# Altium PCB JTAG批量下载板-V1.6-ASCII.PcbDoc (part 9 of 14) (continued)
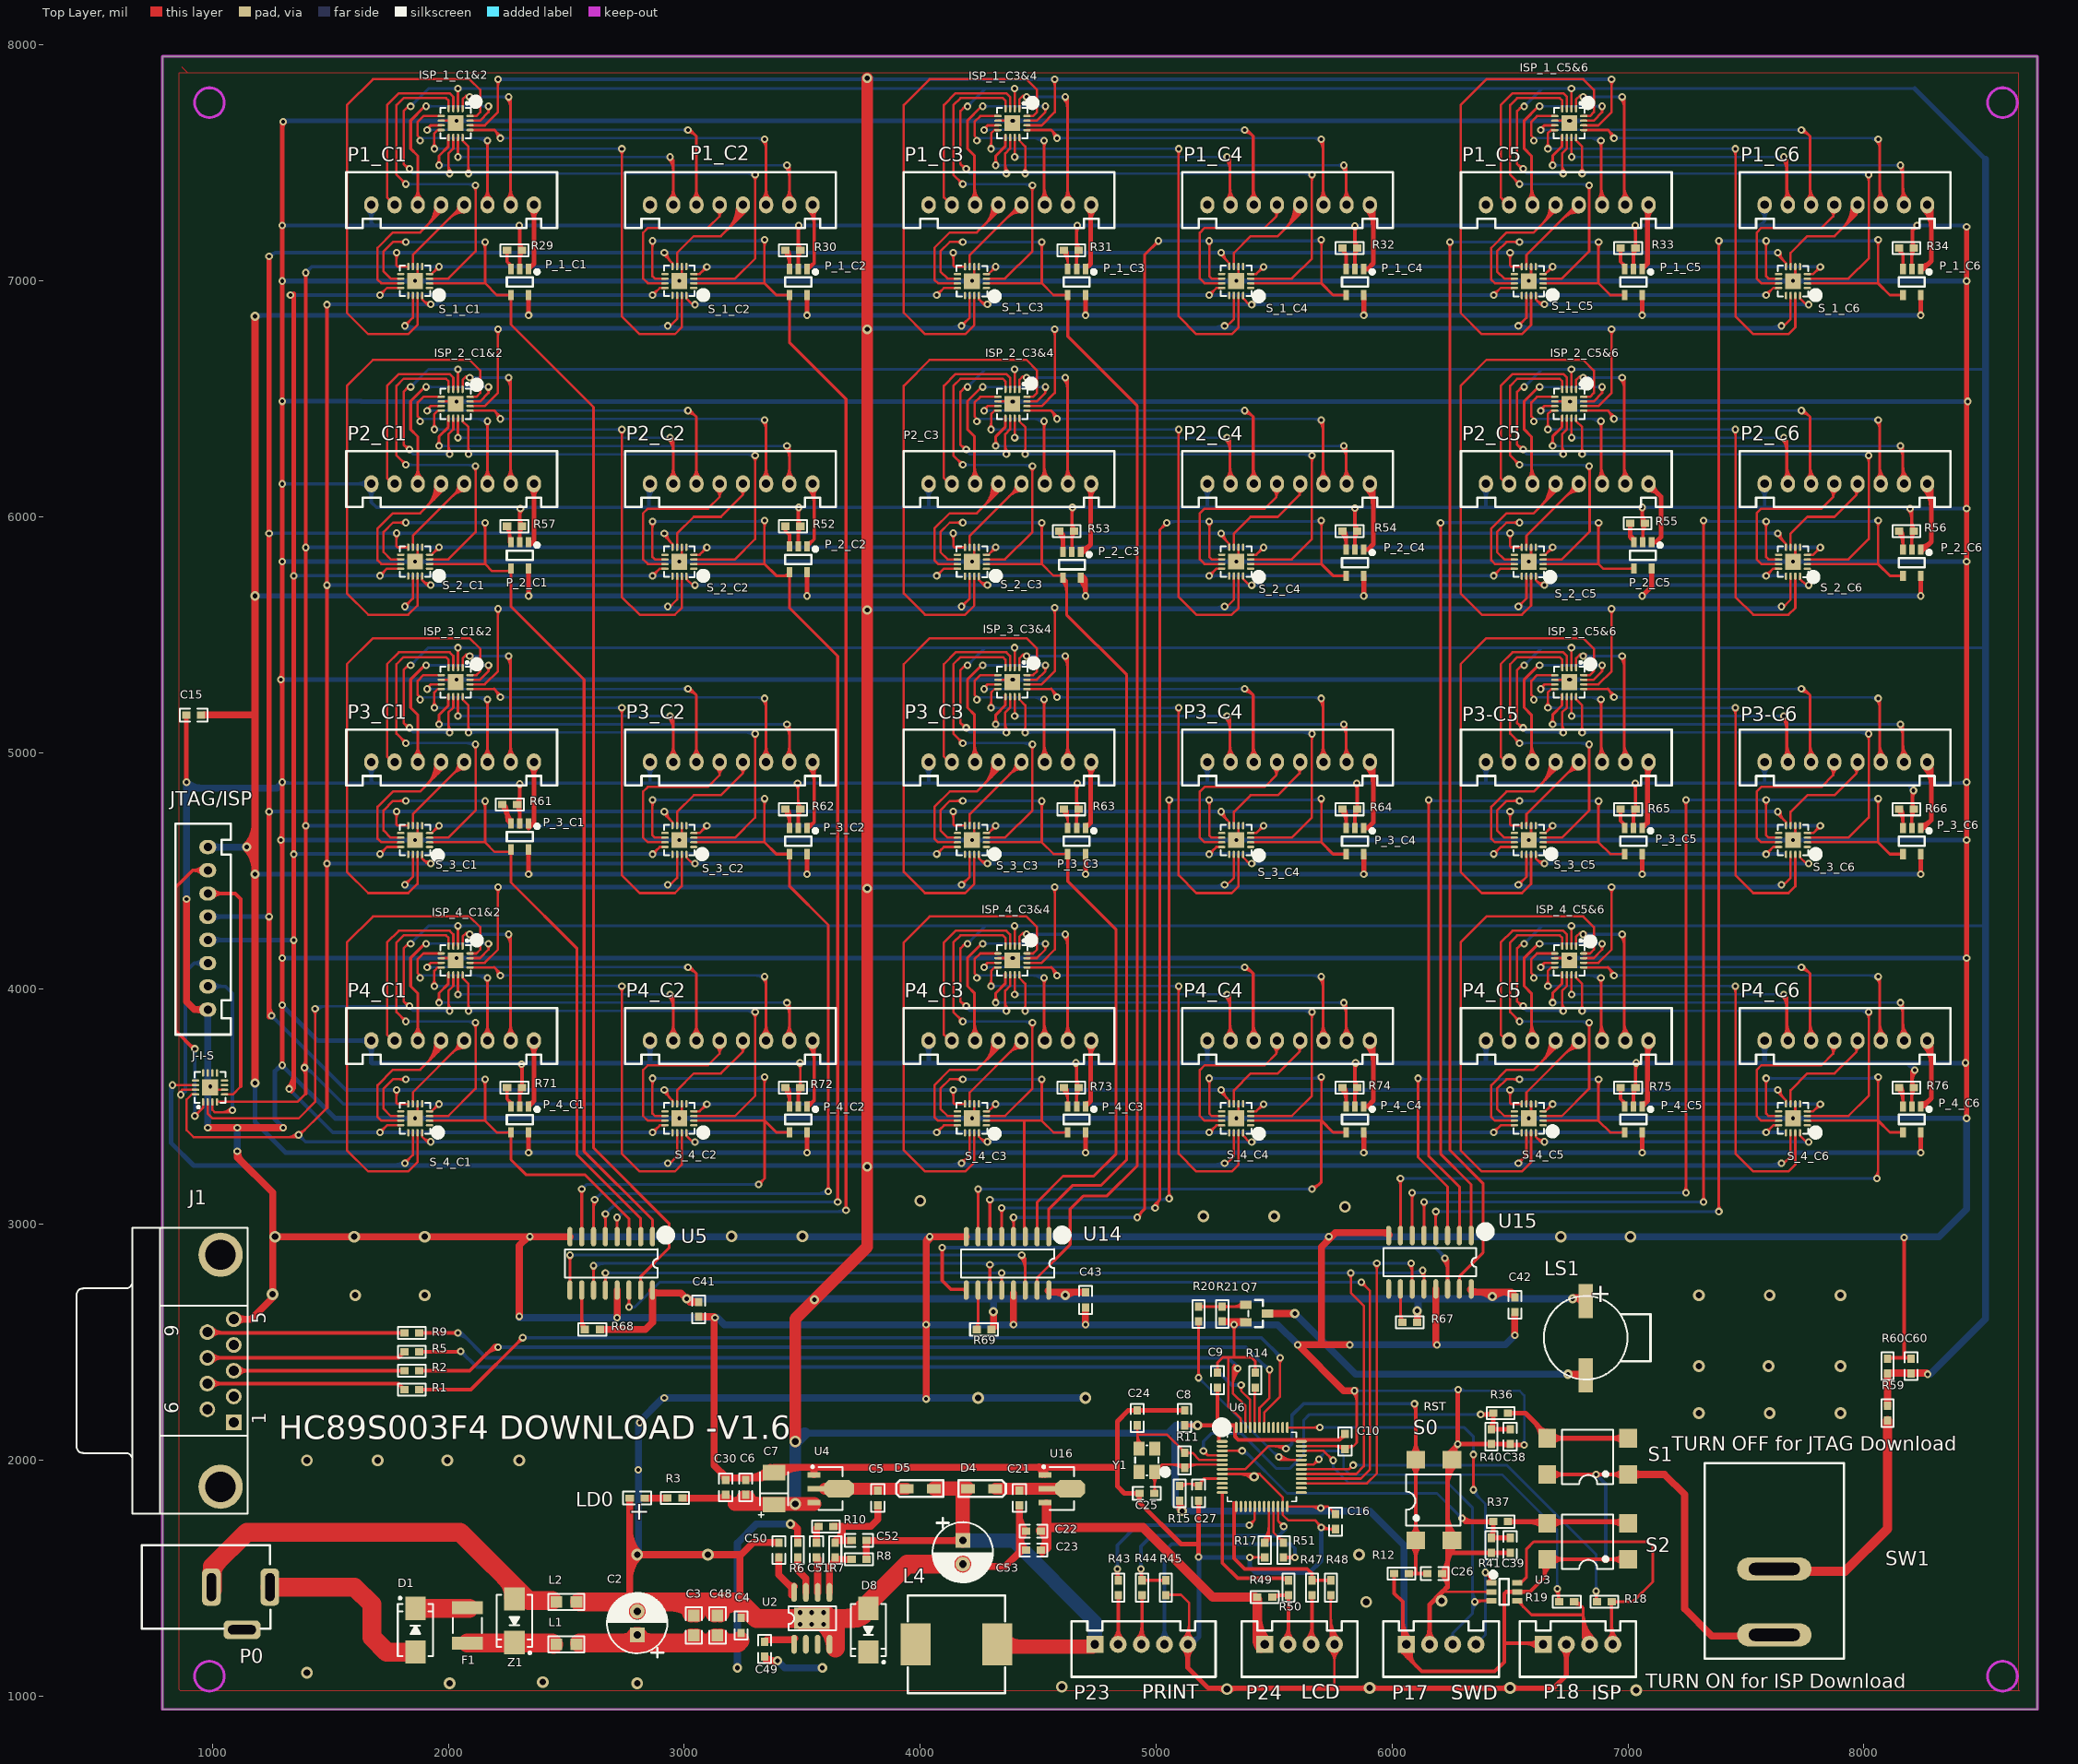
[diagram p0: Top Layer view]
## Nets (pads, with @x,y where several pads share a name; then routed paths per layer and width w, separated by ;. In a path a pad name is that pad's centre, name@x,y a point inside that pad or via, vN(x,y) a via of type N, cw(c..) or ccw(c..) an arc to the next point about the centre after c; other vN are vias at no path point) (continued)
  Top Layer w15: 1485,3495 v1(1485,6900) ; 1485,4509.48 cw(c1505.52,4509.48) 1491.01,4523.99 ccw(c1505.52,4509.48) 1485,4509.48 ; 1485,4509.48 ccw(c1464.48,4509.48) 1478.99,4523.99 cw(c1464.48,4509.48) 1485,4509.48 ; 1485,4550.52 cw(c1464.48,4550.52) 1478.99,4536.01 ccw(c1464.48,4550.52) 1485,4550.52 ; 1485,4550.52 ccw(c1505.52,4550.52) 1491.01,4536.01 cw(c1505.52,4550.52) 1485,4550.52 ; 1485,5689.48 cw(c1505.52,5689.48) 1491.01,5703.99 ccw(c1505.52,5689.48) 1485,5689.48 ; 1485,5689.48 ccw(c1464.48,5689.48) 1478.99,5703.99 cw(c1464.48,5689.48) 1485,5689.48 ; 1485,5730.52 cw(c1464.48,5730.52) 1478.99,5716.01 ccw(c1464.48,5730.52) 1485,5730.52 ; 1485,5730.52 ccw(c1505.52,5730.52) 1491.01,5716.01 cw(c1505.52,5730.52) 1485,5730.52 ; 1485,6879.48 cw(c1505.52,6879.48) 1491.01,6893.99 ccw(c1505.52,6879.48) 1485,6879.48 ; 1485,6879.48 ccw(c1464.48,6879.48) 1478.99,6893.99 cw(c1464.48,6879.48) 1485,6879.48
  Bottom Layer w15: v1(1365,3380) 1394.45,3350.55 v1@7765,3350.55 ; v1@1485,6900.55 v1@7765,6900.55 ; v1@1485.55,4530.55 v1(1925,4530.55) 3045,4530.45 4285,4530.33 5405,4530.22 6645,4530.11 v1(7765,4530) ; v1@1485.55,5710.55 v1@7765,5710.55 ; 1379.51,3365.49 cw(c1394.02,3380) 1373.5,3380 ccw(c1394.02,3380) 1379.51,3365.49 ; 1379.51,3365.49 ccw(c1365,3350.98) 1365,3371.5 cw(c1365,3350.98) 1379.51,3365.49 ; 1904.48,3350.55 cw(c1904.48,3330.03) 1918.99,3344.54 ccw(c1904.48,3330.03) 1904.48,3350.55 ; 1904.48,3350.55 ccw(c1904.48,3371.07) 1918.99,3356.56 cw(c1904.48,3371.07) 1904.48,3350.55 ; 1904.48,4530.55 cw(c1904.48,4510.03) 1918.99,4524.54 ccw(c1904.48,4510.03) 1904.48,4530.55 ; 1904.48,4530.55 ccw(c1904.48,4551.07) 1918.99,4536.56 cw(c1904.48,4551.07) 1904.48,4530.55 ; 1904.48,5710.55 cw(c1904.48,5690.03) 1918.99,5704.54 ccw(c1904.48,5690.03) 1904.48,5710.55 ; 1904.48,5710.55 ccw(c1904.48,5731.07) 1918.99,5716.56 cw(c1904.48,5731.07) 1904.48,5710.55 ; 1904.48,6900.55 cw(c1904.48,6880.03) 1918.99,6894.54 ccw(c1904.48,6880.03) 1904.48,6900.55 ; 1904.48,6900.55 ccw(c1904.48,6921.07) 1918.99,6906.56 cw(c1904.48,6921.07) 1904.48,6900.55 ; 1945.52,3350.55 cw(c1945.52,3371.07) 1931.01,3356.56 ccw(c1945.52,3371.07) 1945.52,3350.55 ; 1945.52,3350.55 ccw(c1945.52,3330.03) 1931.01,3344.54 cw(c1945.52,3330.03) 1945.52,3350.55 ; 1945.52,4530.55 cw(c1945.52,4551.07) 1931.01,4536.56 ccw(c1945.52,4551.07) 1945.52,4530.55 ; 1945.52,4530.55 ccw(c1945.52,4510.03) 1931.01,4524.54 cw(c1945.52,4510.03) 1945.52,4530.55 ; 1945.52,5710.55 cw(c1945.52,5731.07) 1931.01,5716.56 ccw(c1945.52,5731.07) 1945.52,5710.55 ; 1945.52,5710.55 ccw(c1945.52,5690.03) 1931.01,5704.54 cw(c1945.52,5690.03) 1945.52,5710.55 ; 1945.52,6900.55 cw(c1945.52,6921.07) 1931.01,6906.56 ccw(c1945.52,6921.07) 1945.52,6900.55 ; 1945.52,6900.55 ccw(c1945.52,6880.03) 1931.01,6894.54 cw(c1945.52,6880.03) 1945.52,6900.55 ; 4264.48,3350.55 cw(c4264.48,3330.03) 4278.99,3344.54 ccw(c4264.48,3330.03) 4264.48,3350.55 ; 4264.48,3350.55 ccw(c4264.48,3371.07) 4278.99,3356.56 cw(c4264.48,3371.07) 4264.48,3350.55 ; 4264.48,5710.55 cw(c4264.48,5690.03) 4278.99,5704.54 ccw(c4264.48,5690.03) 4264.48,5710.55 ; 4264.48,5710.55 ccw(c4264.48,5731.07) 4278.99,5716.56 cw(c4264.48,5731.07) 4264.48,5710.55 ; 4264.48,6900.55 cw(c4264.48,6880.03) 4278.99,6894.54 ccw(c4264.48,6880.03) 4264.48,6900.55 ; 4264.48,6900.55 ccw(c4264.48,6921.07) 4278.99,6906.56 cw(c4264.48,6921.07) 4264.48,6900.55 ; 4305.52,3350.55 cw(c4305.52,3371.07) 4291.01,3356.56 ccw(c4305.52,3371.07) 4305.52,3350.55 ; 4305.52,3350.55 ccw(c4305.52,3330.03) 4291.01,3344.54 cw(c4305.52,3330.03) 4305.52,3350.55 ; 4305.52,5710.55 cw(c4305.52,5731.07) 4291.01,5716.56 ccw(c4305.52,5731.07) 4305.52,5710.55 ; 4305.52,5710.55 ccw(c4305.52,5690.03) 4291.01,5704.54 cw(c4305.52,5690.03) 4305.52,5710.55 ; 4305.52,6900.55 cw(c4305.52,6921.07) 4291.01,6906.56 ccw(c4305.52,6921.07) 4305.52,6900.55 ; 4305.52,6900.55 ccw(c4305.52,6880.03) 4291.01,6894.54 cw(c4305.52,6880.03) 4305.52,6900.55 ; 6624.48,3350.55 cw(c6624.48,3330.03) 6638.99,3344.54 ccw(c6624.48,3330.03) 6624.48,3350.55 ; 6624.48,3350.55 ccw(c6624.48,3371.07) 6638.99,3356.56 cw(c6624.48,3371.07) 6624.48,3350.55 ; 6624.48,5710.55 cw(c6624.48,5690.03) 6638.99,5704.54 ccw(c6624.48,5690.03) 6624.48,5710.55 ; 6624.48,5710.55 ccw(c6624.48,5731.07) 6638.99,5716.56 cw(c6624.48,5731.07) 6624.48,5710.55 ; 6624.48,6900.55 cw(c6624.48,6880.03) 6638.99,6894.54 ccw(c6624.48,6880.03) 6624.48,6900.55 ; 6624.48,6900.55 ccw(c6624.48,6921.07) 6638.99,6906.56 cw(c6624.48,6921.07) 6624.48,6900.55 ; 6665.52,3350.55 cw(c6665.52,3371.07) 6651.01,3356.56 ccw(c6665.52,3371.07) 6665.52,3350.55 ; 6665.52,3350.55 ccw(c6665.52,3330.03) 6651.01,3344.54 cw(c6665.52,3330.03) 6665.52,3350.55 ; 6665.52,5710.55 cw(c6665.52,5731.07) 6651.01,5716.56 ccw(c6665.52,5731.07) 6665.52,5710.55 ; 6665.52,5710.55 ccw(c6665.52,5690.03) 6651.01,5704.54 cw(c6665.52,5690.03) 6665.52,5710.55 ; 6665.52,6900.55 cw(c6665.52,6921.07) 6651.01,6906.56 ccw(c6665.52,6921.07) 6665.52,6900.55 ; 6665.52,6900.55 ccw(c6665.52,6880.03) 6651.01,6894.54 cw(c6665.52,6880.03) 6665.52,6900.55 ; 7744.48,4530 cw(c7744.48,4509.48) 7758.99,4523.99 ccw(c7744.48,4509.48) 7744.48,4530 ; 7744.48,4530 ccw(c7744.48,4550.52) 7758.99,4536.01 cw(c7744.48,4550.52) 7744.48,4530 ; v1@1491.01,4523.99 cw(c1506.85,4508.15) 1506.85,4530.55 ccw(c1506.85,4508.15) v1@1491.01,4523.99 ; v1@1491.01,4536.01 ccw(c1504.19,4549.19) 1504.19,4530.55 cw(c1504.19,4549.19) v1@1491.01,4536.01 ; v1@1491.01,5703.99 cw(c1506.85,5688.15) 1506.85,5710.55 ccw(c1506.85,5688.15) v1@1491.01,5703.99 ; v1@1491.01,5716.01 ccw(c1504.19,5729.19) 1504.19,5710.55 cw(c1504.19,5729.19) v1@1491.01,5716.01 ; v1@1491.01,6893.99 cw(c1506.85,6878.15) 1506.85,6900.55 ccw(c1506.85,6878.15) v1@1491.01,6893.99 ; v1@1491.01,6906.01 ccw(c1504.19,6919.19) 1504.19,6900.55 cw(c1504.19,6919.19) v1@1491.01,6906.01 ; 3023.15,3350.55 cw(c3023.15,3328.15) 3038.99,3343.99 ccw(c3023.15,3328.15) 3023.15,3350.55 ; 3023.15,5710.55 cw(c3023.15,5688.15) 3038.99,5703.99 ccw(c3023.15,5688.15) 3023.15,5710.55 ; 3023.15,6900.55 cw(c3023.15,6878.15) 3038.99,6893.99 ccw(c3023.15,6878.15) 3023.15,6900.55 ; 3023.4,4530.45 cw(c3023.4,4508.41) 3038.99,4523.99 ccw(c3023.4,4508.41) 3023.4,4530.45 ; 3025.55,4530.45 ccw(c3025.56,4549.45) 3038.99,4536.01 cw(c3025.56,4549.45) 3025.55,4530.45 ; 3025.81,3350.55 ccw(c3025.81,3369.19) 3038.99,3356.01 cw(c3025.81,3369.19) 3025.81,3350.55 ; 3025.81,5710.55 ccw(c3025.81,5729.19) 3038.99,5716.01 cw(c3025.81,5729.19) 3025.81,5710.55 ; 3025.81,6900.55 ccw(c3025.81,6919.19) 3038.99,6906.01 cw(c3025.81,6919.19) 3025.81,6900.55 ; v1@3051.01,3343.99 cw(c3066.85,3328.15) 3066.85,3350.55 ccw(c3066.85,3328.15) v1@3051.01,3343.99 ; v1@3051.01,3356.01 ccw(c3064.19,3369.19) 3064.19,3350.55 cw(c3064.19,3369.19) v1@3051.01,3356.01 ; v1@3051.01,4523.99 cw(c3066.59,4508.4) 3066.6,4530.44 ccw(c3066.59,4508.4) v1@3051.01,4523.99 ; v1@3051.01,4536.01 ccw(c3064.45,4549.44) 3064.45,4530.44 cw(c3064.45,4549.44) v1@3051.01,4536.01 ; v1@3051.01,5703.99 cw(c3066.85,5688.15) 3066.85,5710.55 ccw(c3066.85,5688.15) v1@3051.01,5703.99 ; v1@3051.01,5716.01 ccw(c3064.19,5729.19) 3064.19,5710.55 cw(c3064.19,5729.19) v1@3051.01,5716.01 ; v1@3051.01,6893.99 cw(c3066.85,6878.15) 3066.85,6900.55 ccw(c3066.85,6878.15) v1@3051.01,6893.99 ; v1@3051.01,6906.01 ccw(c3064.19,6919.19) 3064.19,6900.55 cw(c3064.19,6919.19) v1@3051.01,6906.01 ; 4263.94,4530.33 ccw(c4263.94,4551.61) 4278.99,4536.56 cw(c4263.94,4551.61) 4263.94,4530.33 ; 4265.02,4530.33 cw(c4265.01,4510.57) 4278.99,4524.54 ccw(c4265.01,4510.57) 4265.02,4530.33 ; v1@4291.01,4524.54 cw(c4304.98,4510.57) 4304.98,4530.33 ccw(c4304.98,4510.57) v1@4291.01,4524.54 ; v1@4291.01,4536.56 ccw(c4306.06,4551.61) 4306.06,4530.33 cw(c4306.06,4551.61) v1@4291.01,4536.56 ; 5383.15,3350.55 cw(c5383.15,3328.15) 5398.99,3343.99 ccw(c5383.15,3328.15) 5383.15,3350.55 ; 5383.15,5710.55 cw(c5383.15,5688.15) 5398.99,5703.99 ccw(c5383.15,5688.15) 5383.15,5710.55 ; 5383.15,6900.55 cw(c5383.15,6878.15) 5398.99,6893.99 ccw(c5383.15,6878.15) 5383.15,6900.55 ; 5383.94,4530.22 cw(c5383.94,4508.94) 5398.99,4523.99 ccw(c5383.94,4508.94) 5383.94,4530.22 ; 5385.02,4530.22 ccw(c5385.02,4549.99) 5398.99,4536.01 cw(c5385.02,4549.99) 5385.02,4530.22 ; 5385.81,3350.55 ccw(c5385.81,3369.19) 5398.99,3356.01 cw(c5385.81,3369.19) 5385.81,3350.55 ; 5385.81,5710.55 ccw(c5385.81,5729.19) 5398.99,5716.01 cw(c5385.81,5729.19) 5385.81,5710.55 ; 5385.81,6900.55 ccw(c5385.81,6919.19) 5398.99,6906.01 cw(c5385.81,6919.19) 5385.81,6900.55 ; v1@5411.01,3343.99 cw(c5426.85,3328.15) 5426.85,3350.55 ccw(c5426.85,3328.15) v1@5411.01,3343.99 ; v1@5411.01,3356.01 ccw(c5424.19,3369.19) 5424.19,3350.55 cw(c5424.19,3369.19) v1@5411.01,3356.01 ; v1@5411.01,4523.99 cw(c5426.06,4508.94) 5426.06,4530.22 ccw(c5426.06,4508.94) v1@5411.01,4523.99 ; v1@5411.01,4536.01 ccw(c5424.99,4549.98) 5424.98,4530.22 cw(c5424.99,4549.98) v1@5411.01,4536.01 ; v1@5411.01,5703.99 cw(c5426.85,5688.15) 5426.85,5710.55 ccw(c5426.85,5688.15) v1@5411.01,5703.99 ; v1@5411.01,5716.01 ccw(c5424.19,5729.19) 5424.19,5710.55 cw(c5424.19,5729.19) v1@5411.01,5716.01 ; v1@5411.01,6893.99 cw(c5426.85,6878.15) 5426.85,6900.55 ccw(c5426.85,6878.15) v1@5411.01,6893.99 ; v1@5411.01,6906.01 ccw(c5424.19,6919.19) 5424.19,6900.55 cw(c5424.19,6919.19) v1@5411.01,6906.01 ; 6623.4,4530.11 ccw(c6623.41,4552.15) 6638.99,4536.56 cw(c6623.41,4552.15) 6623.4,4530.11 ; 6625.55,4530.11 cw(c6625.55,4511.11) 6638.99,4524.54 ccw(c6625.55,4511.11) 6625.55,4530.11 ; v1@6651.01,4524.54 cw(c6664.44,4511.1) 6664.45,4530.1 ccw(c6664.44,4511.1) v1@6651.01,4524.54 ; v1@6651.01,4536.56 ccw(c6666.6,4552.15) 6666.6,4530.1 cw(c6666.6,4552.15) v1@6651.01,4536.56 ; 7743.15,3350.55 cw(c7743.15,3328.15) 7758.99,3343.99 ccw(c7743.15,3328.15) 7743.15,3350.55 ; 7743.15,5710.55 cw(c7743.15,5688.15) 7758.99,5703.99 ccw(c7743.15,5688.15) 7743.15,5710.55 ; 7743.15,6900.55 cw(c7743.15,6878.15) 7758.99,6893.99 ccw(c7743.15,6878.15) 7743.15,6900.55 ; 7745.81,3350.55 ccw(c7745.81,3369.19) 7758.99,3356.01 cw(c7745.81,3369.19) 7745.81,3350.55 ; 7745.81,5710.55 ccw(c7745.81,5729.19) 7758.99,5716.01 cw(c7745.81,5729.19) 7745.81,5710.55 ; 7745.81,6900.55 ccw(c7745.81,6919.19) 7758.99,6906.01 cw(c7745.81,6919.19) 7745.81,6900.55
  other v1: 1485,4530 1485,5710
JTAG_TDO_1: J-I-S.1 JTAG/ISP.2 | length 1568.5
  Top Layer w10: v1(925,3460) 960,3495 J-I-S.1@960,3520 ; 943.78,3478.78 cw(c925,3497.56) 925,3471 ccw(c925,3497.56) 943.78,3478.78 ; 943.78,3478.78 ccw(c962.56,3460) 936,3460 cw(c962.56,3460) 943.78,3478.78
  Top Layer w15: 901.95,3763.05 ccw(c925,3786.09) v1@925,3753.5 ; v1(925,3745) 920,3745 845,3820 845,4430 916.57,4501.57 JTAG/ISP.2@980,4501.57 ; JTAG/ISP.2@958.09,4485.66 ccw(c919.68,4447.25) 919.68,4501.57 ccw(c919.68,4555.89) JTAG/ISP.2@958.09,4517.48
  Bottom Layer w15: v1(925,3460) v1(925,3745) ; 925,3480.52 cw(c904.48,3480.52) 918.99,3466.01 ccw(c904.48,3480.52) 925,3480.52 ; 925,3480.52 ccw(c945.52,3480.52) 931.01,3466.01 cw(c945.52,3480.52) 925,3480.52 ; 925,3724.48 cw(c945.52,3724.48) 931.01,3738.99 ccw(c945.52,3724.48) 925,3724.48 ; 925,3724.48 ccw(c904.48,3724.48) 918.99,3738.99 cw(c904.48,3724.48) 925,3724.48
JTAG_TMS: JTAG/ISP.5 S_1_C1.12 S_1_C2.12 S_1_C3.12 S_1_C4.12 S_1_C5.12 S_1_C6.12 S_2_C1.12 S_2_C2.12 S_2_C3.12 S_2_C4.12 S_2_C5.12 S_2_C6.12 S_3_C1.12 S_3_C2.12 S_3_C3.12 S_3_C4.12 S_3_C5.12 S_3_C6.12 S_4_C1.12 S_4_C2.12 S_4_C3.12 S_4_C4.12 S_4_C5.12 S_4_C6.12 | length 35480.9
  Top Layer w10: v1(1710,3390.55) 1740,3420.55 S_4_C1.12@1797.95,3420.55 ; v1@1710,3401.55 ccw(c1710,3428.11) 1728.78,3409.33 ccw(c1747.56,3390.55) v1@1721,3390.55 ; v1(1710,4570.55) 1740,4600.55 S_3_C1.12@1797.95,4600.55 ; v1@1710,4581.55 ccw(c1710,4608.11) 1728.78,4589.33 ccw(c1747.56,4570.55) v1@1721,4570.55 ; v1(1710,5750.55) 1740,5780.55 S_2_C1.12@1797.95,5780.55 ; v1@1710,5761.55 ccw(c1710,5788.11) 1728.78,5769.33 ccw(c1747.56,5750.55) v1@1721,5750.55 ; v1(1710,6940.55) 1740,6970.55 S_1_C1.12@1797.95,6970.55 ; v1@1710,6951.55 ccw(c1710,6978.11) 1728.78,6959.33 ccw(c1747.56,6940.55) v1@1721,6940.55 ; v1(2865,3390) 2895.55,3420.55 S_4_C2.12@2917.95,3420.55 ; v1@2865,3401 ccw(c2865,3427.56) 2883.78,3408.78 ccw(c2902.56,3390) v1@2876,3390 ; v1(2865,4570) 2895.55,4600.55 S_3_C2.12@2917.95,4600.55 ; v1@2865,4581 ccw(c2865,4607.56) 2883.78,4588.78 ccw(c2902.56,4570) v1@2876,4570 ; v1(2865,5750) 2895.55,5780.55 S_2_C2.12@2917.95,5780.55 ; v1@2865,5761 ccw(c2865,5787.56) 2883.78,5768.78 ccw(c2902.56,5750) v1@2876,5750 ; v1(2865,6940) 2895.55,6970.55 S_1_C2.12@2917.95,6970.55 ; v1@2865,6951 ccw(c2865,6977.56) 2883.78,6958.78 ccw(c2902.56,6940) v1@2876,6940 ; v1(4070,3390.55) 4100,3420.55 S_4_C3.12@4157.95,3420.55 ; v1@4070,3401.55 ccw(c4070,3428.11) 4088.78,3409.33 ccw(c4107.56,3390.55) v1@4081,3390.55 ; v1(4070,4570.55) 4100,4600.55 S_3_C3.12@4157.95,4600.55 ; v1@4070,4581.55 ccw(c4070,4608.11) 4088.78,4589.33 ccw(c4107.56,4570.55) v1@4081,4570.55 ; v1(4070,5750.55) 4100,5780.55 S_2_C3.12@4157.95,5780.55 ; v1@4070,5761.55 ccw(c4070,5788.11) 4088.78,5769.33 ccw(c4107.56,5750.55) v1@4081,5750.55 ; v1(4070,6940.55) 4100,6970.55 S_1_C3.12@4157.95,6970.55 ; v1@4070,6951.55 ccw(c4070,6978.11) 4088.78,6959.33 ccw(c4107.56,6940.55) v1@4081,6940.55 ; v1(5225,3390) 5255.55,3420.55 S_4_C4.12@5277.95,3420.55 ; v1@5225,3401 ccw(c5225,3427.56) 5243.78,3408.78 ccw(c5262.56,3390) v1@5236,3390 ; v1(5225,4570) 5255.55,4600.55 S_3_C4.12@5277.95,4600.55 ; v1@5225,4581 ccw(c5225,4607.56) 5243.78,4588.78 ccw(c5262.56,4570) v1@5236,4570 ; v1(5225,5750) 5255.55,5780.55 S_2_C4.12@5277.95,5780.55 ; v1@5225,5761 ccw(c5225,5787.56) 5243.78,5768.78 ccw(c5262.56,5750) v1@5236,5750 ; v1(5225,6940) 5255.55,6970.55 S_1_C4.12@5277.95,6970.55 ; v1@5225,6951 ccw(c5225,6977.56) 5243.78,6958.78 ccw(c5262.56,6940) v1@5236,6940 ; v1(6430,3390.55) 6460,3420.55 S_4_C5.12@6517.95,3420.55 ; v1@6430,3401.55 ccw(c6430,3428.11) 6448.78,3409.33 ccw(c6467.56,3390.55) v1@6441,3390.55 ; v1(6430,4570.55) 6460,4600.55 S_3_C5.12@6517.95,4600.55 ; v1@6430,4581.55 ccw(c6430,4608.11) 6448.78,4589.33 ccw(c6467.56,4570.55) v1@6441,4570.55 ; v1(6430,5750.55) 6460,5780.55 S_2_C5.12@6517.95,5780.55 ; v1@6430,5761.55 ccw(c6430,5788.11) 6448.78,5769.33 ccw(c6467.56,5750.55) v1@6441,5750.55 ; v1(6430,6940.55) 6460,6970.55 S_1_C5.12@6517.95,6970.55 ; v1@6430,6951.55 ccw(c6430,6978.11) 6448.78,6959.33 ccw(c6467.56,6940.55) v1@6441,6940.55 ; v1(7585,3390) 7615.55,3420.55 S_4_C6.12@7637.95,3420.55 ; v1@7585,3401 ccw(c7585,3427.56) 7603.78,3408.78 ccw(c7622.56,3390) v1@7596,3390 ; v1(7585,4570) 7615.55,4600.55 S_3_C6.12@7637.95,4600.55 ; v1@7585,4581 ccw(c7585,4607.56) 7603.78,4588.78 ccw(c7622.56,4570) v1@7596,4570 ; v1(7585,5750) 7615.55,5780.55 S_2_C6.12@7637.95,5780.55 ; v1@7585,5761 ccw(c7585,5787.56) 7603.78,5768.78 ccw(c7622.56,5750) v1@7596,5750 ; v1(7585,6940) 7615.55,6970.55 S_1_C6.12@7637.95,6970.55 ; v1@7585,6951 ccw(c7585,6977.56) 7603.78,6958.78 ccw(c7622.56,6940) v1@7596,6940
  Top Layer w20: v1@1320.76,3579.24 ccw(c1262.23,3637.77) 1345,3637.77 ; v1@1334.9,3565.1 ccw(c1310.51,3589.49) 1345,3589.49 ; 1345,3580 v1(1345,4205) ; v1@1345,4206.3 v1@1345,6945
  Bottom Layer w15: v1(1325,3575) 1509.45,3390.55 7659.45,3390.55 ; v1(1330,6940) 1740,6940 ; v1@1345.55,4570.55 7659.45,4570.55 ; v1@1345.55,5750.55 7659.45,5750.55 ; 1740,6940.55 v1@7585,6940.55 ; 1339.51,3560.49 cw(c1354.02,3575) 1333.5,3575 ccw(c1354.02,3575) 1339.51,3560.49 ; 1339.51,3560.49 ccw(c1325,3545.98) 1325,3566.5 cw(c1325,3545.98) 1339.51,3560.49 ; 1350.52,6940 cw(c1350.52,6960.52) 1336.01,6946.01 ccw(c1350.52,6960.52) 1350.52,6940 ; 1350.52,6940 ccw(c1350.52,6919.48) 1336.01,6933.99 cw(c1350.52,6919.48) 1350.52,6940 ; 1689.48,3390.55 cw(c1689.48,3370.03) 1703.99,3384.54 ccw(c1689.48,3370.03) 1689.48,3390.55 ; 1689.48,3390.55 ccw(c1689.48,3411.07) 1703.99,3396.56 cw(c1689.48,3411.07) 1689.48,3390.55 ; 1689.48,4570.55 cw(c1689.48,4550.03) 1703.99,4564.54 ccw(c1689.48,4550.03) 1689.48,4570.55 ; 1689.48,4570.55 ccw(c1689.48,4591.07) 1703.99,4576.56 cw(c1689.48,4591.07) 1689.48,4570.55 ; 1689.48,5750.55 cw(c1689.48,5730.03) 1703.99,5744.54 ccw(c1689.48,5730.03) 1689.48,5750.55 ; 1689.48,5750.55 ccw(c1689.48,5771.07) 1703.99,5756.56 cw(c1689.48,5771.07) 1689.48,5750.55 ; 1730.52,3390.55 cw(c1730.52,3411.07) 1716.01,3396.56 ccw(c1730.52,3411.07) 1730.52,3390.55 ; 1730.52,3390.55 ccw(c1730.52,3370.03) 1716.01,3384.54 cw(c1730.52,3370.03) 1730.52,3390.55 ; 1730.52,4570.55 cw(c1730.52,4591.07) 1716.01,4576.56 ccw(c1730.52,4591.07) 1730.52,4570.55 ; 1730.52,4570.55 ccw(c1730.52,4550.03) 1716.01,4564.54 cw(c1730.52,4550.03) 1730.52,4570.55 ; 1730.52,5750.55 cw(c1730.52,5771.07) 1716.01,5756.56 ccw(c1730.52,5771.07) 1730.52,5750.55 ; 1730.52,5750.55 ccw(c1730.52,5730.03) 1716.01,5744.54 cw(c1730.52,5730.03) 1730.52,5750.55 ; 4049.48,3390.55 cw(c4049.48,3370.03) 4063.99,3384.54 ccw(c4049.48,3370.03) 4049.48,3390.55 ; 4049.48,3390.55 ccw(c4049.48,3411.07) 4063.99,3396.56 cw(c4049.48,3411.07) 4049.48,3390.55 ; 4049.48,4570.55 cw(c4049.48,4550.03) 4063.99,4564.54 ccw(c4049.48,4550.03) 4049.48,4570.55 ; 4049.48,4570.55 ccw(c4049.48,4591.07) 4063.99,4576.56 cw(c4049.48,4591.07) 4049.48,4570.55 ; 4049.48,5750.55 cw(c4049.48,5730.03) 4063.99,5744.54 ccw(c4049.48,5730.03) 4049.48,5750.55 ; 4049.48,5750.55 ccw(c4049.48,5771.07) 4063.99,5756.56 cw(c4049.48,5771.07) 4049.48,5750.55 ; 4049.48,6940.55 cw(c4049.48,6920.03) 4063.99,6934.54 ccw(c4049.48,6920.03) 4049.48,6940.55 ; 4049.48,6940.55 ccw(c4049.48,6961.07) 4063.99,6946.56 cw(c4049.48,6961.07) 4049.48,6940.55 ; 4090.52,3390.55 cw(c4090.52,3411.07) 4076.01,3396.56 ccw(c4090.52,3411.07) 4090.52,3390.55 ; 4090.52,3390.55 ccw(c4090.52,3370.03) 4076.01,3384.54 cw(c4090.52,3370.03) 4090.52,3390.55 ; 4090.52,4570.55 cw(c4090.52,4591.07) 4076.01,4576.56 ccw(c4090.52,4591.07) 4090.52,4570.55 ; 4090.52,4570.55 ccw(c4090.52,4550.03) 4076.01,4564.54 cw(c4090.52,4550.03) 4090.52,4570.55 ; 4090.52,5750.55 cw(c4090.52,5771.07) 4076.01,5756.56 ccw(c4090.52,5771.07) 4090.52,5750.55 ; 4090.52,5750.55 ccw(c4090.52,5730.03) 4076.01,5744.54 cw(c4090.52,5730.03) 4090.52,5750.55 ; 4090.52,6940.55 cw(c4090.52,6961.07) 4076.01,6946.56 ccw(c4090.52,6961.07) 4090.52,6940.55 ; 4090.52,6940.55 ccw(c4090.52,6920.03) 4076.01,6934.54 cw(c4090.52,6920.03) 4090.52,6940.55 ; 6409.48,3390.55 cw(c6409.48,3370.03) 6423.99,3384.54 ccw(c6409.48,3370.03) 6409.48,3390.55 ; 6409.48,3390.55 ccw(c6409.48,3411.07) 6423.99,3396.56 cw(c6409.48,3411.07) 6409.48,3390.55 ; 6409.48,4570.55 cw(c6409.48,4550.03) 6423.99,4564.54 ccw(c6409.48,4550.03) 6409.48,4570.55 ; 6409.48,4570.55 ccw(c6409.48,4591.07) 6423.99,4576.56 cw(c6409.48,4591.07) 6409.48,4570.55 ; 6409.48,5750.55 cw(c6409.48,5730.03) 6423.99,5744.54 ccw(c6409.48,5730.03) 6409.48,5750.55 ; 6409.48,5750.55 ccw(c6409.48,5771.07) 6423.99,5756.56 cw(c6409.48,5771.07) 6409.48,5750.55 ; 6409.48,6940.55 cw(c6409.48,6920.03) 6423.99,6934.54 ccw(c6409.48,6920.03) 6409.48,6940.55 ; 6409.48,6940.55 ccw(c6409.48,6961.07) 6423.99,6946.56 cw(c6409.48,6961.07) 6409.48,6940.55 ; 6450.52,3390.55 cw(c6450.52,3411.07) 6436.01,3396.56 ccw(c6450.52,3411.07) 6450.52,3390.55 ; 6450.52,3390.55 ccw(c6450.52,3370.03) 6436.01,3384.54 cw(c6450.52,3370.03) 6450.52,3390.55 ; 6450.52,4570.55 cw(c6450.52,4591.07) 6436.01,4576.56 ccw(c6450.52,4591.07) 6450.52,4570.55 ; 6450.52,4570.55 ccw(c6450.52,4550.03) 6436.01,4564.54 cw(c6450.52,4550.03) 6450.52,4570.55 ; 6450.52,5750.55 cw(c6450.52,5771.07) 6436.01,5756.56 ccw(c6450.52,5771.07) 6450.52,5750.55 ; 6450.52,5750.55 ccw(c6450.52,5730.03) 6436.01,5744.54 cw(c6450.52,5730.03) 6450.52,5750.55 ; 6450.52,6940.55 cw(c6450.52,6961.07) 6436.01,6946.56 ccw(c6450.52,6961.07) 6450.52,6940.55 ; 6450.52,6940.55 ccw(c6450.52,6920.03) 6436.01,6934.54 cw(c6450.52,6920.03) 6450.52,6940.55 ; v1@1351.01,4563.99 cw(c1366.85,4548.15) 1366.85,4570.55 ccw(c1366.85,4548.15) v1@1351.01,4563.99 ; v1@1351.01,4576.01 ccw(c1364.19,4589.19) 1364.19,4570.55 cw(c1364.19,4589.19) v1@1351.01,4576.01 ; v1@1351.01,5743.99 cw(c1366.85,5728.15) 1366.85,5750.55 ccw(c1366.85,5728.15) v1@1351.01,5743.99 ; v1@1351.01,5756.01 ccw(c1364.19,5769.19) 1364.19,5750.55 cw(c1364.19,5769.19) v1@1351.01,5756.01 ; 1688.15,6940 ccw(c1688.15,6962.4) 1703.99,6946.56 cw(c1688.15,6962.4) 1688.15,6940 ; 1690.81,6940 cw(c1690.81,6921.36) 1703.99,6934.54 ccw(c1690.81,6921.36) 1690.81,6940 ; v1@1716.01,6934.54 cw(c1729.19,6921.36) 1729.19,6940 ccw(c1729.19,6921.36) v1@1716.01,6934.54 ; v1@1716.01,6946.56 ccw(c1731.85,6962.4) 1731.85,6940 cw(c1731.85,6962.4) v1@1716.01,6946.56 ; 2843.15,3390.55 cw(c2843.15,3368.15) 2858.99,3383.99 ccw(c2843.15,3368.15) 2843.15,3390.55 ; 2843.15,4570.55 cw(c2843.15,4548.15) 2858.99,4563.99 ccw(c2843.15,4548.15) 2843.15,4570.55 ; 2843.15,5750.55 cw(c2843.15,5728.15) 2858.99,5743.99 ccw(c2843.15,5728.15) 2843.15,5750.55 ; 2843.15,6940.55 cw(c2843.15,6918.15) 2858.99,6933.99 ccw(c2843.15,6918.15) 2843.15,6940.55 ; 2845.81,3390.55 ccw(c2845.81,3409.19) 2858.99,3396.01 cw(c2845.81,3409.19) 2845.81,3390.55 ; 2845.81,4570.55 ccw(c2845.81,4589.19) 2858.99,4576.01 cw(c2845.81,4589.19) 2845.81,4570.55 ; 2845.81,5750.55 ccw(c2845.81,5769.19) 2858.99,5756.01 cw(c2845.81,5769.19) 2845.81,5750.55 ; 2845.81,6940.55 ccw(c2845.81,6959.19) 2858.99,6946.01 cw(c2845.81,6959.19) 2845.81,6940.55 ; v1@2871.01,3383.99 cw(c2886.85,3368.15) 2886.85,3390.55 ccw(c2886.85,3368.15) v1@2871.01,3383.99 ; v1@2871.01,3396.01 ccw(c2884.19,3409.19) 2884.19,3390.55 cw(c2884.19,3409.19) v1@2871.01,3396.01 ; v1@2871.01,4563.99 cw(c2886.85,4548.15) 2886.85,4570.55 ccw(c2886.85,4548.15) v1@2871.01,4563.99 ; v1@2871.01,4576.01 ccw(c2884.19,4589.19) 2884.19,4570.55 cw(c2884.19,4589.19) v1@2871.01,4576.01 ; v1@2871.01,5743.99 cw(c2886.85,5728.15) 2886.85,5750.55 ccw(c2886.85,5728.15) v1@2871.01,5743.99 ; v1@2871.01,5756.01 ccw(c2884.19,5769.19) 2884.19,5750.55 cw(c2884.19,5769.19) v1@2871.01,5756.01 ; v1@2871.01,6933.99 cw(c2886.85,6918.15) 2886.85,6940.55 ccw(c2886.85,6918.15) v1@2871.01,6933.99 ; v1@2871.01,6946.01 ccw(c2884.19,6959.19) 2884.19,6940.55 cw(c2884.19,6959.19) v1@2871.01,6946.01 ; 5203.15,3390.55 cw(c5203.15,3368.15) 5218.99,3383.99 ccw(c5203.15,3368.15) 5203.15,3390.55 ; 5203.15,4570.55 cw(c5203.15,4548.15) 5218.99,4563.99 ccw(c5203.15,4548.15) 5203.15,4570.55 ; 5203.15,5750.55 cw(c5203.15,5728.15) 5218.99,5743.99 ccw(c5203.15,5728.15) 5203.15,5750.55 ; 5203.15,6940.55 cw(c5203.15,6918.15) 5218.99,6933.99 ccw(c5203.15,6918.15) 5203.15,6940.55 ; 5205.81,3390.55 ccw(c5205.81,3409.19) 5218.99,3396.01 cw(c5205.81,3409.19) 5205.81,3390.55 ; 5205.81,4570.55 ccw(c5205.81,4589.19) 5218.99,4576.01 cw(c5205.81,4589.19) 5205.81,4570.55 ; 5205.81,5750.55 ccw(c5205.81,5769.19) 5218.99,5756.01 cw(c5205.81,5769.19) 5205.81,5750.55 ; 5205.81,6940.55 ccw(c5205.81,6959.19) 5218.99,6946.01 cw(c5205.81,6959.19) 5205.81,6940.55 ; v1@5231.01,3383.99 cw(c5246.85,3368.15) 5246.85,3390.55 ccw(c5246.85,3368.15) v1@5231.01,3383.99 ; v1@5231.01,3396.01 ccw(c5244.19,3409.19) 5244.19,3390.55 cw(c5244.19,3409.19) v1@5231.01,3396.01 ; v1@5231.01,4563.99 cw(c5246.85,4548.15) 5246.85,4570.55 ccw(c5246.85,4548.15) v1@5231.01,4563.99 ; v1@5231.01,4576.01 ccw(c5244.19,4589.19) 5244.19,4570.55 cw(c5244.19,4589.19) v1@5231.01,4576.01 ; v1@5231.01,5743.99 cw(c5246.85,5728.15) 5246.85,5750.55 ccw(c5246.85,5728.15) v1@5231.01,5743.99 ; v1@5231.01,5756.01 ccw(c5244.19,5769.19) 5244.19,5750.55 cw(c5244.19,5769.19) v1@5231.01,5756.01 ; v1@5231.01,6933.99 cw(c5246.85,6918.15) 5246.85,6940.55 ccw(c5246.85,6918.15) v1@5231.01,6933.99 ; v1@5231.01,6946.01 ccw(c5244.19,6959.19) 5244.19,6940.55 cw(c5244.19,6959.19) v1@5231.01,6946.01 ; 7563.15,3390.55 cw(c7563.15,3368.15) 7578.99,3383.99 ccw(c7563.15,3368.15) 7563.15,3390.55 ; 7563.15,4570.55 cw(c7563.15,4548.15) 7578.99,4563.99 ccw(c7563.15,4548.15) 7563.15,4570.55 ; 7563.15,5750.55 cw(c7563.15,5728.15) 7578.99,5743.99 ccw(c7563.15,5728.15) 7563.15,5750.55 ; 7563.15,6940.55 cw(c7563.15,6918.15) 7578.99,6933.99 ccw(c7563.15,6918.15) 7563.15,6940.55 ; 7565.81,3390.55 ccw(c7565.81,3409.19) 7578.99,3396.01 cw(c7565.81,3409.19) 7565.81,3390.55 ; 7565.81,4570.55 ccw(c7565.81,4589.19) 7578.99,4576.01 cw(c7565.81,4589.19) 7565.81,4570.55 ; 7565.81,5750.55 ccw(c7565.81,5769.19) 7578.99,5756.01 cw(c7565.81,5769.19) 7565.81,5750.55 ; 7565.81,6940.55 ccw(c7565.81,6959.19) 7578.99,6946.01 cw(c7565.81,6959.19) 7565.81,6940.55 ; v1@7591.01,3383.99 cw(c7606.85,3368.15) 7606.85,3390.55 ccw(c7606.85,3368.15) v1@7591.01,3383.99 ; v1@7591.01,3396.01 ccw(c7604.19,3409.19) 7604.19,3390.55 cw(c7604.19,3409.19) v1@7591.01,3396.01 ; v1@7591.01,4563.99 cw(c7606.85,4548.15) 7606.85,4570.55 ccw(c7606.85,4548.15) v1@7591.01,4563.99 ; v1@7591.01,4576.01 ccw(c7604.19,4589.19) 7604.19,4570.55 cw(c7604.19,4589.19) v1@7591.01,4576.01 ; v1@7591.01,5743.99 cw(c7606.85,5728.15) 7606.85,5750.55 ccw(c7606.85,5728.15) v1@7591.01,5743.99 ; v1@7591.01,5756.01 ccw(c7604.19,5769.19) 7604.19,5750.55 cw(c7604.19,5769.19) v1@7591.01,5756.01
  Bottom Layer w20: JTAG/ISP.5@980,4206.3 1325,4206.3 ; JTAG/ISP.5@1000.14,4192.16 cw(c1034.28,4158.02) 1034.28,4206.3 cw(c1034.28,4254.58) JTAG/ISP.5@1000.14,4220.44 ; 1327.38,4206.3 cw(c1327.38,4187.38) 1340.76,4200.76 ccw(c1327.38,4187.38) 1327.38,4206.3
  other v1: 1345,4570 1345,5750